# KiCad board panel.kicad_pcb (continued)
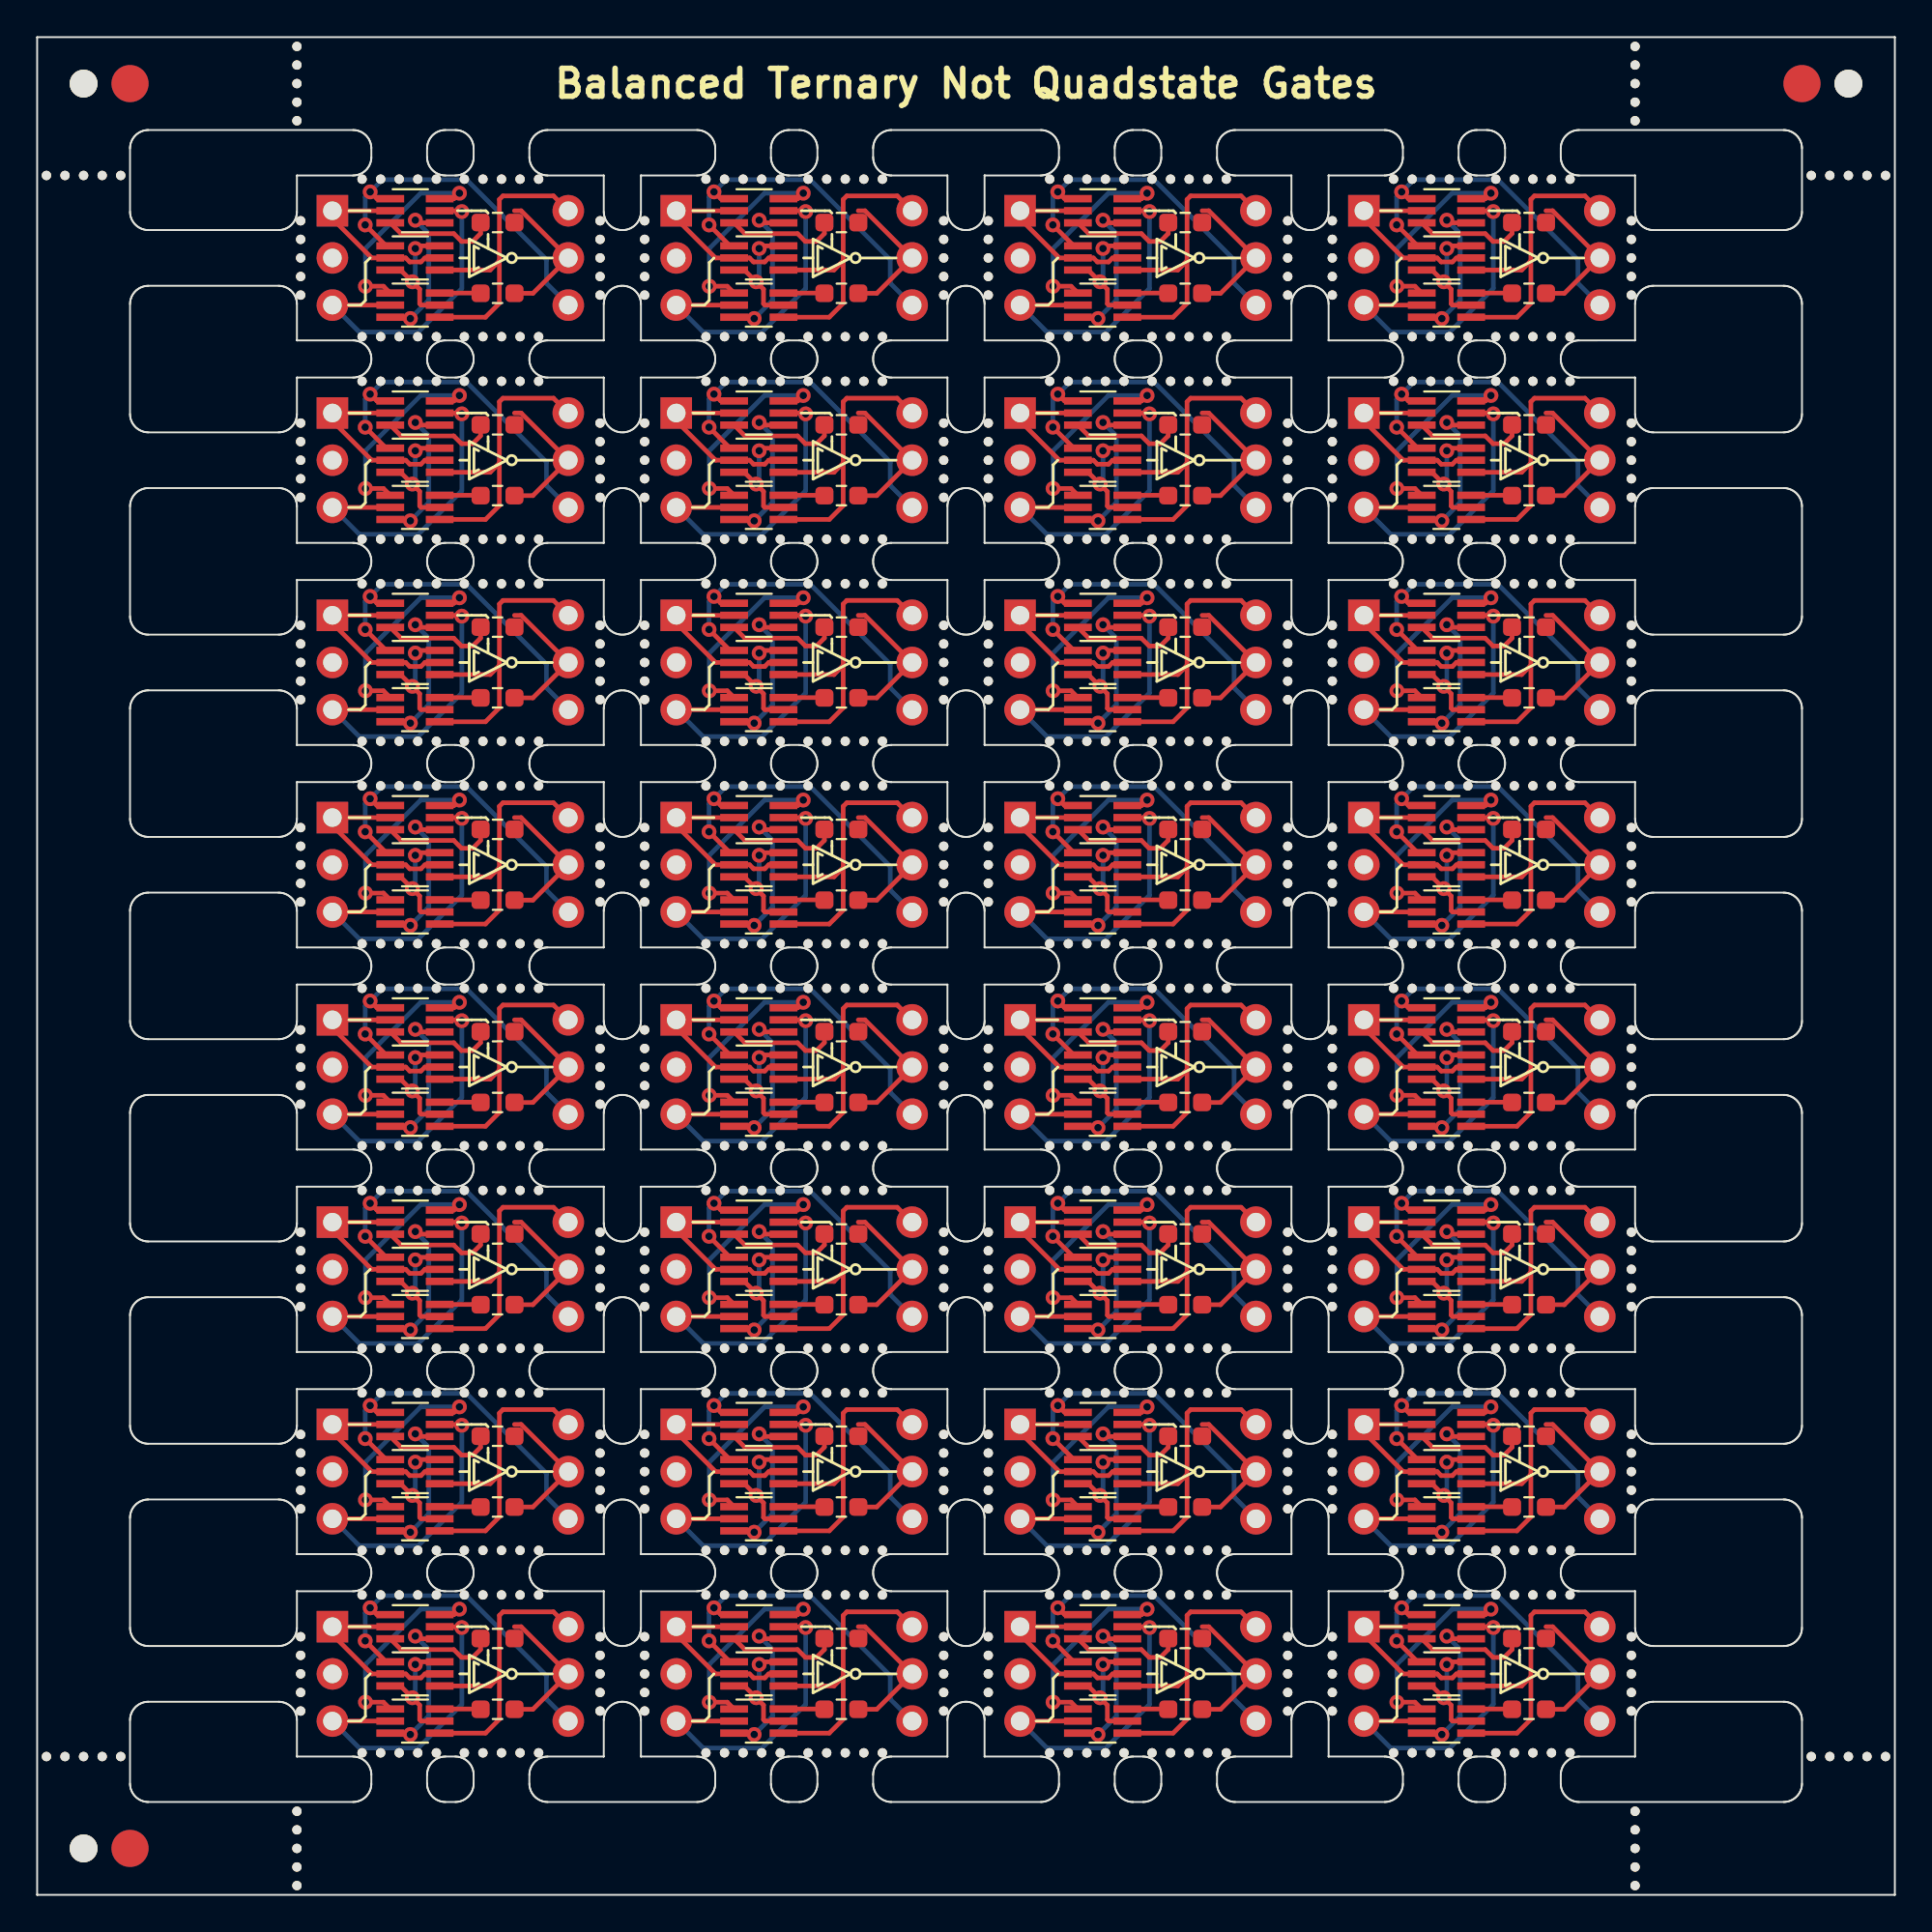
[diagram p0: board, top side]
## Placement (name value [footprint] x y rotation side) (continued)
REF**#14  -  [NPTH]  36.01 18.55 0 top
REF**#15  -  [NPTH]  42.51 70.59 0 top
REF**#16  -  [NPTH]  85.83 11.9 0 top
REF**#17  -  [NPTH]  51.2 77.24 0 top
REF**#18  -  [NPTH]  30.3 12.9 0 top
REF**#19  -  [NPTH]  13.98 95.51 0 top
REF**#20  -  [NPTH]  64.02 37.93 0 top
REF**#21  -  [NPTH]  81.53 62.11 0 top
REF**#22  -  [NPTH]  57.51 70.59 0 top
REF**#23  -  [NPTH]  78.53 92.37 0 top
REF**#24  -  [NPTH]  17.49 72.99 0 top
REF**#25  -  [NPTH]  48.8 21.79 0 top
REF**#26  -  [NPTH]  62.02 81.49 0 top
REF**#27  -  [Fiducial]  5 97.51 0 top
REF**#28  -  [NPTH]  44.51 59.71 0 top
REF**#29  -  [NPTH]  77.03 48.81 0 top
REF**#30  -  [NPTH]  21.49 72.99 0 top
REF**#31  -  [NPTH]  48.8 46.57 0 top
REF**#32  -  [NPTH]  58.51 81.49 0 top
REF**#33  -  [NPTH]  21.49 70.59 0 top
REF**#34  -  [NPTH]  32.7 57.46 0 top
REF**#35  -  [NPTH]  48.8 13.9 0 top
REF**#36  -  [NPTH]  42.51 27.03 0 top
REF**#37  -  [NPTH]  51.2 9.9 0 top
REF**#38  -  [NPTH]  25 40.33 0 top
REF**#39  -  [NPTH]  19.49 92.37 0 top
REF**#40  -  [NPTH]  58.51 83.89 0 top
REF**#41  -  [NPTH]  25 92.37 0 top
REF**#42  -  [NPTH]  62.02 59.71 0 top
REF**#43  -  [NPTH]  21.49 92.37 0 top
REF**#44  -  [NPTH]  51.2 43.57 0 top
REF**#45  -  [NPTH]  27 81.49 0 top
REF**#46  -  [NPTH]  18.49 81.49 0 top
REF**#47  -  [NPTH]  21.49 16.15 0 top
REF**#48  -  [NPTH]  41.51 70.59 0 top
REF**#49  -  [NPTH]  36.01 29.43 0 top
REF**#50  -  [NPTH]  42.51 40.33 0 top
REF**#51  -  [NPTH]  48.8 76.24 0 top
REF**#52  -  [NPTH]  30.3 21.79 0 top
REF**#53  -  [NPTH]  56.51 83.89 0 top
REF**#54  -  [NPTH]  40.01 72.99 0 top
REF**#55  -  [NPTH]  23 62.11 0 top
REF**#56  -  [NPTH]  23 37.93 0 top
REF**#57  -  [NPTH]  30.3 45.57 0 top
REF**#58  -  [NPTH]  20.49 37.93 0 top
REF**#59  -  [NPTH]  38.01 48.81 0 top
REF**#60  -  [NPTH]  24 92.37 0 top
REF**#61  -  [NPTH]  60.02 70.59 0 top
REF**#62  -  [NPTH]  57.51 18.55 0 top
REF**#63  -  [NPTH]  78.53 72.99 0 top
REF**#64  -  [NPTH]  58.51 7.65 0 top
REF**#65  -  [NPTH]  81.53 27.03 0 top
REF**#66  -  [NPTH]  37.01 48.81 0 top
REF**#67  -  [Fiducial]  95.01 97.51 0 top
REF**#68  -  [NPTH]  27 18.55 0 top
REF**#69  -  [NPTH]  75.03 27.03 0 top
REF**#70  -  [NPTH]  38.01 72.99 0 top
REF**#71  -  [NPTH]  24 59.71 0 top
REF**#72  -  [NPTH]  63.02 81.49 0 top
REF**#73  -  [NPTH]  79.53 40.33 0 top
REF**#74  -  [NPTH]  51.2 33.68 0 top
REF**#75  -  [NPTH]  75.03 72.99 0 top
REF**#76  -  [NPTH]  40.01 51.21 0 top
REF**#77  -  [NPTH]  63.02 27.03 0 top
REF**#78  -  [NPTH]  40.01 81.49 0 top
REF**#79  -  [NPTH]  18.49 83.89 0 top
REF**#80  -  [NPTH]  74.03 16.15 0 top
REF**#81  -  [NPTH]  85.83 21.79 0 top
REF**#82  -  [NPTH]  51.2 67.35 0 top
REF**#83  -  [NPTH]  67.33 23.79 0 top
REF**#84  -  [NPTH]  18.49 62.11 0 top
REF**#85  -  [NPTH]  62.02 7.65 0 top
REF**#86  -  [NPTH]  57.51 16.15 0 top
REF**#87  -  [NPTH]  39.01 83.89 0 top
REF**#88  -  [NPTH]  73.03 81.49 0 top
REF**#89  -  [NPTH]  67.33 9.9 0 top
REF**#90  -  [NPTH]  13.98 0.5 0 top
REF**#91  -  [NPTH]  36.01 72.99 0 top
REF**#92  -  [NPTH]  44.51 72.99 0 top
REF**#93  -  [NPTH]  48.8 43.57 0 top
REF**#94  -  [NPTH]  30.3 75.24 0 top
REF**#95  -  [NPTH]  73.03 72.99 0 top
REF**#96  -  [NPTH]  64.02 51.21 0 top
REF**#97  -  [NPTH]  42.51 83.89 0 top
REF**#98  -  [Fiducial]  5 2.5 0 top
REF**#99  -  [NPTH]  75.03 37.93 0 top
REF**#100  -  [NPTH]  67.33 89.13 0 top
REF**#101  -  [NPTH]  14.18 9.9 0 top
REF**#102  -  [NPTH]  23 29.43 0 top
REF**#103  -  [NPTH]  20.49 83.89 0 top
REF**#104  -  [NPTH]  19.49 62.11 0 top
REF**#105  -  [NPTH]  75.03 51.21 0 top
REF**#106  -  [NPTH]  24 70.59 0 top
REF**#107  -  [NPTH]  14.18 89.13 0 top
REF**#108  -  [NPTH]  48.8 35.68 0 top
REF**#109  -  [NPTH]  30.3 57.46 0 top
REF**#110  -  [NPTH]  32.7 54.46 0 top
REF**#111  -  [NPTH]  85.83 57.46 0 top
REF**#112  -  [NPTH]  40.01 18.55 0 top
REF**#113  -  [NPTH]  64.02 29.43 0 top
REF**#114  -  [NPTH]  32.7 10.9 0 top
REF**#115  -  [NPTH]  55.51 59.71 0 top
REF**#116  -  [NPTH]  36.01 81.49 0 top
REF**#117  -  [NPTH]  55.51 7.65 0 top
REF**#118  -  [NPTH]  51.2 42.57 0 top
REF**#119  -  [NPTH]  57.51 48.81 0 top
REF**#120  -  [NPTH]  36.01 16.15 0 top
REF**#121  -  [NPTH]  23 40.33 0 top
REF**#122  -  [NPTH]  18.49 59.71 0 top
REF**#123  -  [NPTH]  81.53 81.49 0 top
REF**#124  -  [NPTH]  3.5 92.57 0 top
REF**#125  -  [NPTH]  30.3 20.79 0 top
REF**#126  -  [NPTH]  17.49 51.21 0 top
REF**#127  -  [NPTH]  42.51 72.99 0 top
REF**#128  -  [NPTH]  78.53 16.15 0 top
REF**#129  -  [NPTH]  48.8 20.79 0 top
REF**#130  -  [NPTH]  40.01 59.71 0 top
REF**#131  -  [NPTH]  51.2 56.46 0 top
REF**#132  -  [NPTH]  64.02 16.15 0 top
REF**#133  -  [NPTH]  58.51 29.43 0 top
REF**#134  -  [NPTH]  48.8 32.68 0 top
REF**#135  -  [NPTH]  14.18 10.9 0 top
REF**#136  -  [NPTH]  45.51 48.81 0 top
REF**#137  -  [NPTH]  62.02 37.93 0 top
REF**#138  -  [NPTH]  27 92.37 0 top
REF**#139  -  [NPTH]  14.18 55.46 0 top
REF**#140  -  [NPTH]  51.2 78.24 0 top
REF**#141  -  [NPTH]  42.51 7.65 0 top
REF**#142  -  [NPTH]  48.8 68.35 0 top
REF**#143  -  [NPTH]  25 18.55 0 top
REF**#144  -  [NPTH]  85.83 79.24 0 top
REF**#145  -  [NPTH]  54.51 18.55 0 top
REF**#146  -  [NPTH]  74.03 7.65 0 top
REF**#147  -  [NPTH]  18.49 37.93 0 top
REF**#148  -  [NPTH]  55.51 29.43 0 top
REF**#149  -  [NPTH]  18.49 29.43 0 top
REF**#150  -  [NPTH]  23 27.03 0 top
REF**#151  -  [NPTH]  25 27.03 0 top
REF**#152  -  [NPTH]  69.72 66.35 0 top
REF**#153  -  [NPTH]  21.49 59.71 0 top
REF**#154  -  [NPTH]  36.01 92.37 0 top
REF**#155  -  [NPTH]  58.51 62.11 0 top
REF**#156  -  [NPTH]  62.02 27.03 0 top
REF**#157  -  [NPTH]  48.8 53.46 0 top
REF**#158  -  [NPTH]  63.02 18.55 0 top
REF**#159  -  [NPTH#2]  97.51 97.51 0 top
REF**#160  -  [NPTH]  36.01 51.21 0 top
REF**#161  -  [NPTH]  74.03 37.93 0 top
REF**#162  -  [NPTH]  58.51 40.33 0 top
REF**#163  -  [NPTH]  37.01 40.33 0 top
REF**#164  -  [NPTH]  40.01 16.15 0 top
REF**#165  -  [NPTH]  23 70.59 0 top
REF**#166  -  [NPTH]  30.3 64.35 0 top
REF**#167  -  [NPTH]  69.72 78.24 0 top
REF**#168  -  [NPTH]  81.53 18.55 0 top
REF**#169  -  [NPTH]  18.49 40.33 0 top
REF**#170  -  [NPTH]  51.2 45.57 0 top
REF**#171  -  [NPTH]  48.8 79.24 0 top
REF**#172  -  [NPTH]  39.01 29.43 0 top
REF**#173  -  [NPTH]  38.01 62.11 0 top
REF**#174  -  [NPTH]  48.8 65.35 0 top
REF**#175  -  [NPTH]  77.03 18.55 0 top
REF**#176  -  [NPTH]  23 59.71 0 top
REF**#177  -  [NPTH]  48.8 23.79 0 top
REF**#178  -  [NPTH]  26 81.49 0 top
REF**#179  -  [NPTH]  30.3 11.9 0 top
REF**#180  -  [NPTH]  69.72 89.13 0 top
REF**#181  -  [NPTH]  48.8 54.46 0 top
REF**#182  -  [NPTH]  61.02 72.99 0 top
REF**#183  -  [NPTH]  26 51.21 0 top
REF**#184  -  [NPTH]  45.51 18.55 0 top
REF**#185  -  [NPTH]  85.83 76.24 0 top
REF**#186  -  [NPTH]  24 7.65 0 top
REF**#187  -  [NPTH]  77.03 59.71 0 top
REF**#188  -  [NPTH]  37.01 37.93 0 top
REF**#189  -  [NPTH]  43.51 48.81 0 top
REF**#190  -  [NPTH]  85.83 32.68 0 top
REF**#191  -  [NPTH]  60.02 83.89 0 top
REF**#192  -  [NPTH]  86.03 95.51 0 top
REF**#193  -  [NPTH]  54.51 37.93 0 top
REF**#194  -  [NPTH]  67.33 24.79 0 top
REF**#195  -  [NPTH]  69.72 33.68 0 top
REF**#196  -  [NPTH]  40.01 27.03 0 top
REF**#197  -  [NPTH]  86.03 96.51 0 top
REF**#198  -  [NPTH]  14.18 86.13 0 top
REF**#199  -  [NPTH]  41.51 81.49 0 top
REF**#200  -  [NPTH]  77.03 37.93 0 top
REF**#201  -  [NPTH]  32.7 66.35 0 top
REF**#202  -  [NPTH]  85.83 10.9 0 top
REF**#203  -  [NPTH]  57.51 7.65 0 top
REF**#204  -  [NPTH]  79.53 70.59 0 top
REF**#205  -  [NPTH]  32.7 64.35 0 top
REF**#206  -  [NPTH]  43.51 92.37 0 top
REF**#207  -  [NPTH]  13.98 1.5 0 top
REF**#208  -  [NPTH]  82.53 72.99 0 top
REF**#209  -  [NPTH]  18.49 51.21 0 top
REF**#210  -  [NPTH]  61.02 59.71 0 top
REF**#211  -  [NPTH]  73.03 7.65 0 top
REF**#212  -  [NPTH]  67.33 79.24 0 top
REF**#213  -  [NPTH]  55.51 92.37 0 top
REF**#214  -  [NPTH]  74.03 81.49 0 top
REF**#215  -  [NPTH]  62.02 62.11 0 top
REF**#216  -  [NPTH]  74.03 92.37 0 top
REF**#217  -  [NPTH]  41.51 72.99 0 top
REF**#218  -  [NPTH]  82.53 7.65 0 top
REF**#219  -  [NPTH]  60.02 81.49 0 top
REF**#220  -  [NPTH]  41.51 83.89 0 top
REF**#221  -  [NPTH]  30.3 35.68 0 top
REF**#222  -  [NPTH]  58.51 72.99 0 top
REF**#223  -  [NPTH]  95.51 92.57 0 top
REF**#224  -  [NPTH]  69.72 44.57 0 top
REF**#225  -  [NPTH]  57.51 72.99 0 top
REF**#226  -  [NPTH]  48.8 64.35 0 top
REF**#227  -  [NPTH]  30.3 88.13 0 top
REF**#228  -  [NPTH]  27 29.43 0 top
REF**#229  -  [NPTH]  64.02 18.55 0 top
REF**#230  -  [NPTH]  30.3 53.46 0 top
REF**#231  -  [NPTH]  30.3 32.68 0 top
REF**#232  -  [NPTH]  23 83.89 0 top
REF**#233  -  [NPTH]  85.83 88.13 0 top
REF**#234  -  [NPTH]  45.51 37.93 0 top
REF**#235  -  [NPTH]  37.01 7.65 0 top
REF**#236  -  [NPTH]  19.49 16.15 0 top
REF**#237  -  [NPTH]  51.2 57.46 0 top
REF**#238  -  [NPTH]  32.7 20.79 0 top
REF**#239  -  [NPTH]  14.18 20.79 0 top
REF**#240  -  [NPTH]  76.03 51.21 0 top
REF**#241  -  [NPTH]  76.03 72.99 0 top
REF**#242  -  [NPTH]  32.7 43.57 0 top
REF**#243  -  [NPTH]  14.18 32.68 0 top
REF**#244  -  [NPTH]  60.02 29.43 0 top
REF**#245  -  [NPTH]  40.01 40.33 0 top
REF**#246  -  [NPTH]  69.72 77.24 0 top
REF**#247  -  [NPTH]  30.3 67.35 0 top
REF**#248  -  [NPTH]  40.01 37.93 0 top
REF**#249  -  [NPTH]  39.01 27.03 0 top
REF**#250  -  [NPTH]  61.02 62.11 0 top
REF**#251  -  [NPTH]  63.02 59.71 0 top
REF**#252  -  [NPTH]  48.8 56.46 0 top
REF**#253  -  [NPTH]  62.02 72.99 0 top
REF**#254  -  [NPTH]  80.53 81.49 0 top
REF**#255  -  [NPTH]  79.53 62.11 0 top
REF**#256  -  [NPTH]  67.33 12.9 0 top
REF**#257  -  [NPTH]  26 83.89 0 top
REF**#258  -  [NPTH]  27 16.15 0 top
REF**#259  -  [NPTH]  78.53 83.89 0 top
REF**#260  -  [NPTH]  32.7 67.35 0 top
REF**#261  -  [NPTH]  54.51 92.37 0 top
REF**#262  -  [NPTH]  62.02 40.33 0 top
REF**#263  -  [NPTH]  23 51.21 0 top
REF**#264  -  [NPTH]  79.53 48.81 0 top
REF**#265  -  [NPTH]  48.8 55.46 0 top
REF**#266  -  [NPTH]  61.02 7.65 0 top
REF**#267  -  [NPTH]  44.51 62.11 0 top
REF**#268  -  [NPTH]  61.02 27.03 0 top
REF**#269  -  [NPTH]  27 40.33 0 top
REF**#270  -  [NPTH]  85.83 34.68 0 top
REF**#271  -  [NPTH]  30.3 24.79 0 top
REF**#272  -  [NPTH]  85.83 23.79 0 top
REF**#273  -  [NPTH]  48.8 10.9 0 top
REF**#274  -  [NPTH]  43.51 27.03 0 top
REF**#275  -  [NPTH]  48.8 31.68 0 top
REF**#276  -  [NPTH]  73.03 59.71 0 top
REF**#277  -  [NPTH]  25 81.49 0 top
REF**#278  -  [NPTH]  75.03 62.11 0 top
REF**#279  -  [NPTH]  38.01 92.37 0 top
REF**#280  -  [NPTH]  30.3 23.79 0 top
REF**#281  -  [NPTH]  39.01 37.93 0 top
REF**#282  -  [NPTH]  96.51 92.57 0 top
REF**#283  -  [NPTH]  42.51 16.15 0 top
REF**#284  -  [NPTH]  51.2 79.24 0 top
REF**#285  -  [NPTH]  67.33 88.13 0 top
REF**#286  -  [NPTH]  32.7 79.24 0 top
REF**#287  -  [NPTH]  20.49 18.55 0 top
REF**#288  -  [NPTH]  41.51 92.37 0 top
REF**#289  -  [NPTH]  27 48.81 0 top
REF**#290  -  [NPTH]  81.53 83.89 0 top
REF**#291  -  [NPTH]  74.03 27.03 0 top
REF**#292  -  [NPTH]  73.03 37.93 0 top
REF**#293  -  [NPTH]  30.3 54.46 0 top
REF**#294  -  [NPTH]  63.02 51.21 0 top
REF**#295  -  [NPTH]  48.8 42.57 0 top
REF**#296  -  [NPTH]  48.8 78.24 0 top
REF**#297  -  [NPTH]  60.02 62.11 0 top
REF**#298  -  [NPTH]  36.01 40.33 0 top
REF**#299  -  [NPTH]  45.51 51.21 0 top
REF**#300  -  [NPTH]  44.51 18.55 0 top
REF**#301  -  [NPTH]  37.01 16.15 0 top
REF**#302  -  [NPTH]  51.2 31.68 0 top
REF**#303  -  [NPTH]  14.18 31.68 0 top
REF**#304  -  [NPTH]  41.51 59.71 0 top
REF**#305  -  [NPTH]  42.51 92.37 0 top
REF**#306  -  [NPTH]  55.51 51.21 0 top
REF**#307  -  [NPTH]  48.8 88.13 0 top
REF**#308  -  [NPTH]  24 29.43 0 top
REF**#309  -  [NPTH]  30.3 68.35 0 top
REF**#310  -  [NPTH]  74.03 29.43 0 top
REF**#311  -  [NPTH]  60.02 16.15 0 top
REF**#312  -  [NPTH]  85.83 87.13 0 top
REF**#313  -  [NPTH]  85.83 64.35 0 top
REF**#314  -  [NPTH]  41.51 37.93 0 top
REF**#315  -  [NPTH]  69.72 87.13 0 top
REF**#316  -  [NPTH]  40.01 48.81 0 top
REF**#317  -  [NPTH]  17.49 92.37 0 top
REF**#318  -  [NPTH]  63.02 72.99 0 top
REF**#319  -  [NPTH]  80.53 29.43 0 top
REF**#320  -  [NPTH]  79.53 51.21 0 top
REF**#321  -  [NPTH]  51.2 88.13 0 top
REF**#322  -  [NPTH]  18.49 18.55 0 top
REF**#323  -  [NPTH]  82.53 29.43 0 top
REF**#324  -  [NPTH]  85.83 20.79 0 top
REF**#325  -  [NPTH]  64.02 92.37 0 top
REF**#326  -  [NPTH]  32.7 31.68 0 top
REF**#327  -  [NPTH]  32.7 89.13 0 top
REF**#328  -  [NPTH]  77.03 92.37 0 top
REF**#329  -  [NPTH]  67.33 54.46 0 top
REF**#330  -  [NPTH]  30.3 33.68 0 top
REF**#331  -  [NPTH]  43.51 83.89 0 top
REF**#332  -  [NPTH]  14.18 65.35 0 top
REF**#333  -  [NPTH]  82.53 83.89 0 top
REF**#334  -  [NPTH]  75.03 40.33 0 top
REF**#335  -  [NPTH]  55.51 27.03 0 top
REF**#336  -  [NPTH]  62.02 51.21 0 top
REF**#337  -  [NPTH]  40.01 29.43 0 top
REF**#338  -  [NPTH]  42.51 51.21 0 top
REF**#339  -  [NPTH]  78.53 51.21 0 top
REF**#340  -  [NPTH]  27 70.59 0 top
REF**#341  -  [NPTH]  2.5 92.57 0 top
REF**#342  -  [NPTH]  64.02 83.89 0 top
REF**#343  -  [NPTH]  81.53 48.81 0 top
REF**#344  -  [NPTH]  48.8 45.57 0 top
REF**#345  -  [NPTH]  78.53 40.33 0 top
REF**#346  -  [NPTH]  14.18 45.57 0 top
REF**#347  -  [NPTH]  45.51 40.33 0 top
REF**#348  -  [NPTH]  54.51 72.99 0 top
REF**#349  -  [NPTH]  61.02 51.21 0 top
REF**#350  -  [NPTH]  43.51 37.93 0 top
REF**#351  -  [NPTH]  99.51 92.57 0 top
REF**#352  -  [NPTH]  78.53 27.03 0 top
REF**#353  -  [NPTH]  67.33 31.68 0 top
REF**#354  -  [NPTH]  82.53 48.81 0 top
REF**#355  -  [NPTH]  51.2 53.46 0 top
REF**#356  -  [NPTH]  55.51 37.93 0 top
REF**#357  -  [NPTH]  81.53 72.99 0 top
REF**#358  -  [NPTH]  75.03 7.65 0 top
REF**#359  -  [NPTH]  67.33 77.24 0 top
REF**#360  -  [NPTH]  98.51 92.57 0 top
REF**#361  -  [NPTH]  69.72 79.24 0 top
REF**#362  -  [NPTH]  14.18 57.46 0 top
REF**#363  -  [NPTH]  64.02 72.99 0 top
REF**#364  -  [NPTH]  20.49 29.43 0 top
REF**#365  -  [NPTH]  44.51 83.89 0 top
REF**#366  -  [NPTH]  25 72.99 0 top
REF**#367  -  [NPTH]  24 51.21 0 top
REF**#368  -  [NPTH]  38.01 81.49 0 top
REF**#369  -  [NPTH]  37.01 62.11 0 top
REF**#370  -  [NPTH]  14.18 44.57 0 top
REF**#371  -  [NPTH]  69.72 12.9 0 top
REF**#372  -  [NPTH]  14.18 12.9 0 top
REF**#373  -  [NPTH]  76.03 48.81 0 top
REF**#374  -  [NPTH]  69.72 43.57 0 top
REF**#375  -  [NPTH]  85.83 13.9 0 top
REF**#376  -  [NPTH]  19.49 51.21 0 top
REF**#377  -  [NPTH]  24 62.11 0 top
REF**#378  -  [NPTH]  61.02 37.93 0 top
REF**#379  -  [NPTH]  63.02 83.89 0 top
REF**#380  -  [NPTH]  24 72.99 0 top
REF**#381  -  [NPTH]  19.49 48.81 0 top
REF**#382  -  [NPTH]  63.02 70.59 0 top
REF**#383  -  [NPTH]  67.33 10.9 0 top
REF**#384  -  [NPTH]  69.72 53.46 0 top
REF**#385  -  [NPTH]  32.7 12.9 0 top
REF**#386  -  [NPTH]  85.83 68.35 0 top
REF**#387  -  [NPTH]  62.02 70.59 0 top
REF**#388  -  [NPTH]  14.18 43.57 0 top
REF**#389  -  [NPTH]  79.53 81.49 0 top
REF**#390  -  [NPTH]  32.7 44.57 0 top
REF**#391  -  [NPTH]  82.53 16.15 0 top
REF**#392  -  [NPTH]  39.01 62.11 0 top
REF**#393  -  [NPTH]  26 7.65 0 top
REF**#394  -  [NPTH]  21.49 48.81 0 top
REF**#395  -  [NPTH]  69.72 55.46 0 top
REF**#396  -  [NPTH]  64.02 62.11 0 top
REF**#397  -  [NPTH]  58.51 48.81 0 top
REF**#398  -  [NPTH]  78.53 81.49 0 top
REF**#399  -  [NPTH]  69.72 68.35 0 top
REF**#400  -  [NPTH]  21.49 37.93 0 top
REF**#401  -  [NPTH]  63.02 7.65 0 top
REF**#402  -  [NPTH]  30.3 42.57 0 top
REF**#403  -  [NPTH]  18.49 27.03 0 top
REF**#404  -  [NPTH]  73.03 29.43 0 top
REF**#405  -  [NPTH]  64.02 40.33 0 top
REF**#406  -  [NPTH]  26 92.37 0 top
REF**#407  -  [NPTH]  80.53 70.59 0 top
REF**#408  -  [NPTH]  51.2 64.35 0 top
REF**#409  -  [NPTH]  76.03 16.15 0 top
REF**#410  -  [NPTH]  25 29.43 0 top
REF**#411  -  [NPTH]  45.51 29.43 0 top
REF**#412  -  [NPTH]  26 70.59 0 top
REF**#413  -  [NPTH]  56.51 27.03 0 top
REF**#414  -  [NPTH]  57.51 40.33 0 top
REF**#415  -  [NPTH]  63.02 37.93 0 top
REF**#416  -  [NPTH]  30.3 31.68 0 top
REF**#417  -  [NPTH]  67.33 67.35 0 top
REF**#418  -  [NPTH]  58.51 59.71 0 top
REF**#419  -  [NPTH]  62.02 18.55 0 top
REF**#420  -  [NPTH]  27 27.03 0 top
REF**#421  -  [NPTH]  24 18.55 0 top
REF**#422  -  [NPTH]  58.51 70.59 0 top
REF**#423  -  [NPTH]  62.02 16.15 0 top
REF**#424  -  [NPTH]  41.51 18.55 0 top
REF**#425  -  [NPTH]  61.02 92.37 0 top
REF**#426  -  [NPTH]  57.51 83.89 0 top
REF**#427  -  [NPTH]  67.33 34.68 0 top
REF**#428  -  [NPTH]  20.49 62.11 0 top
REF**#429  -  [NPTH]  69.72 13.9 0 top
REF**#430  -  [NPTH]  96.51 7.45 0 top
REF**#431  -  [NPTH]  32.7 68.35 0 top
REF**#432  -  [NPTH]  77.03 62.11 0 top
REF**#433  -  [NPTH]  42.51 48.81 0 top
REF**#434  -  [NPTH]  32.7 13.9 0 top
REF**#435  -  [NPTH]  56.51 29.43 0 top
REF**#436  -  [NPTH]  24 27.03 0 top
REF**#437  -  [NPTH]  79.53 37.93 0 top
REF**#438  -  [NPTH]  39.01 59.71 0 top
REF**#439  -  [NPTH]  85.83 45.57 0 top
REF**#440  -  [NPTH]  30.3 44.57 0 top
REF**#441  -  [NPTH]  36.01 37.93 0 top
REF**#442  -  [NPTH]  99.51 7.45 0 top
REF**#443  -  [NPTH]  27 83.89 0 top
REF**#444  -  [NPTH]  76.03 40.33 0 top
REF**#445  -  [NPTH]  17.49 83.89 0 top
REF**#446  -  [NPTH]  25 83.89 0 top
REF**#447  -  [NPTH]  32.7 11.9 0 top
REF**#448  -  [NPTH]  69.72 10.9 0 top
REF**#449  -  [NPTH]  30.3 89.13 0 top
REF**#450  -  [NPTH]  13.98 97.51 0 top
REF**#451  -  [NPTH]  69.72 90.13 0 top
REF**#452  -  [NPTH]  1.5 7.45 0 top
REF**#453  -  [NPTH]  48.8 44.57 0 top
REF**#454  -  [NPTH]  45.51 59.71 0 top
REF**#455  -  [NPTH]  78.53 70.59 0 top
REF**#456  -  [NPTH]  51.2 90.13 0 top
REF**#457  -  [NPTH]  85.83 65.35 0 top
REF**#458  -  [NPTH]  40.01 7.65 0 top
REF**#459  -  [NPTH]  43.51 16.15 0 top
REF**#460  -  [NPTH]  32.7 35.68 0 top
REF**#461  -  [NPTH]  30.3 22.79 0 top
REF**#462  -  [NPTH]  38.01 18.55 0 top
REF**#463  -  [NPTH]  58.51 51.21 0 top
REF**#464  -  [NPTH]  79.53 59.71 0 top
REF**#465  -  [NPTH]  48.8 22.79 0 top
REF**#466  -  [NPTH]  23 81.49 0 top
REF**#467  -  [NPTH]  36.01 70.59 0 top
REF**#468  -  [NPTH]  14.18 77.24 0 top
REF**#469  -  [NPTH]  56.51 7.65 0 top
REF**#470  -  [NPTH]  37.01 51.21 0 top
REF**#471  -  [NPTH]  76.03 27.03 0 top
REF**#472  -  [NPTH]  76.03 70.59 0 top
REF**#473  -  [NPTH]  39.01 18.55 0 top
REF**#474  -  [NPTH]  32.7 24.79 0 top
REF**#475  -  [NPTH]  61.02 40.33 0 top
REF**#476  -  [NPTH]  85.83 12.9 0 top
REF**#477  -  [NPTH]  40.01 70.59 0 top
REF**#478  -  [NPTH]  82.53 59.71 0 top
REF**#479  -  [NPTH]  73.03 27.03 0 top
REF**#480  -  [NPTH]  51.2 34.68 0 top
REF**#481  -  [NPTH]  17.49 48.81 0 top
REF**#482  -  [NPTH]  26 37.93 0 top
REF**#483  -  [NPTH]  80.53 72.99 0 top
REF**#484  -  [NPTH]  60.02 27.03 0 top
REF**#485  -  [NPTH]  18.49 72.99 0 top
REF**#486  -  [NPTH]  24 40.33 0 top
REF**#487  -  [NPTH]  60.02 18.55 0 top
REF**#488  -  [NPTH]  48.8 90.13 0 top
REF**#489  -  [NPTH]  14.18 22.79 0 top
REF**#490  -  [NPTH]  32.7 22.79 0 top
REF**#491  -  [NPTH]  85.83 9.9 0 top
REF**#492  -  [NPTH]  69.72 11.9 0 top
REF**#493  -  [NPTH]  32.7 87.13 0 top
REF**#494  -  [NPTH]  14.18 87.13 0 top
REF**#495  -  [NPTH]  67.33 11.9 0 top
REF**#496  -  [NPTH]  51.2 76.24 0 top
REF**#497  -  [NPTH]  58.51 37.93 0 top
REF**#498  -  [NPTH]  51.2 44.57 0 top
REF**#499  -  [NPTH]  57.51 59.71 0 top
REF**#500  -  [NPTH]  80.53 18.55 0 top
REF**#501  -  [NPTH]  85.83 24.79 0 top
REF**#502  -  [NPTH]  64.02 27.03 0 top
REF**#503  -  [NPTH]  61.02 81.49 0 top
REF**#504  -  [NPTH]  73.03 70.59 0 top
REF**#505  -  [NPTH]  45.51 72.99 0 top
REF**#506  -  [NPTH]  36.01 62.11 0 top
REF**#507  -  [NPTH]  78.53 7.65 0 top
REF**#508  -  [NPTH]  42.51 62.11 0 top
REF**#509  -  [NPTH]  79.53 7.65 0 top
REF**#510  -  [NPTH]  32.7 78.24 0 top
REF**#511  -  [NPTH]  40.01 62.11 0 top
REF**#512  -  [NPTH]  56.51 59.71 0 top
REF**#513  -  [NPTH]  75.03 81.49 0 top
REF**#514  -  [NPTH]  17.49 27.03 0 top
REF**#515  -  [NPTH]  48.8 89.13 0 top
REF**#516  -  [NPTH]  67.33 90.13 0 top
REF**#517  -  [NPTH]  51.2 89.13 0 top
REF**#518  -  [NPTH]  44.51 81.49 0 top
REF**#519  -  [NPTH]  67.33 78.24 0 top
REF**#520  -  [NPTH]  13.98 4.5 0 top
REF**#521  -  [NPTH]  20.49 7.65 0 top
REF**#522  -  [NPTH]  85.83 43.57 0 top
REF**#523  -  [NPTH]  57.51 92.37 0 top
REF**#524  -  [NPTH]  76.03 7.65 0 top
REF**#525  -  [NPTH]  86.03 98.51 0 top
REF**#526  -  [NPTH]  14.18 75.24 0 top
REF**#527  -  [NPTH]  44.51 16.15 0 top
REF**#528  -  [NPTH]  19.49 18.55 0 top
REF**#529  -  [NPTH]  44.51 70.59 0 top
REF**#530  -  [NPTH]  61.02 48.81 0 top
REF**#531  -  [NPTH]  64.02 81.49 0 top
REF**#532  -  [NPTH]  32.7 65.35 0 top
REF**#533  -  [NPTH]  74.03 83.89 0 top
REF**#534  -  [NPTH]  69.72 9.9 0 top
REF**#535  -  [NPTH]  32.7 9.9 0 top
REF**#536  -  [NPTH]  45.51 83.89 0 top
REF**#537  -  [NPTH]  48.8 24.79 0 top
REF**#538  -  [NPTH]  69.72 56.46 0 top
REF**#539  -  [NPTH]  30.3 46.57 0 top
REF**#540  -  [NPTH]  67.33 21.79 0 top
REF**#541  -  [NPTH]  40.01 83.89 0 top
REF**#542  -  [NPTH]  21.49 81.49 0 top
REF**#543  -  [NPTH]  14.18 34.68 0 top
REF**#544  -  [NPTH]  73.03 92.37 0 top
REF**#545  -  [NPTH]  32.7 76.24 0 top
REF**#546  -  [NPTH]  37.01 92.37 0 top
REF**#547  -  [NPTH]  55.51 48.81 0 top
REF**#548  -  [NPTH]  32.7 77.24 0 top
REF**#549  -  [NPTH]  67.33 66.35 0 top
REF**#550  -  [NPTH]  48.8 67.35 0 top
REF**#551  -  [NPTH]  43.51 59.71 0 top
REF**#552  -  [NPTH#2]  2.5 2.5 0 top
REF**#553  -  [NPTH]  51.2 10.9 0 top
REF**#554  -  [NPTH]  76.03 92.37 0 top
REF**#555  -  [NPTH]  41.51 16.15 0 top
REF**#556  -  [NPTH]  54.51 59.71 0 top
REF**#557  -  [NPTH]  82.53 27.03 0 top
REF**#558  -  [NPTH]  48.8 77.24 0 top
REF**#559  -  [NPTH]  69.72 65.35 0 top
REF**#560  -  [NPTH]  80.53 83.89 0 top
REF**#561  -  [NPTH]  17.49 40.33 0 top
REF**#562  -  [NPTH]  37.01 70.59 0 top
REF**#563  -  [NPTH]  14.18 66.35 0 top
REF**#564  -  [NPTH]  82.53 92.37 0 top
REF**#565  -  [NPTH]  85.83 67.35 0 top
REF**#566  -  [NPTH]  55.51 83.89 0 top
REF**#567  -  [NPTH]  85.83 54.46 0 top
REF**#568  -  [NPTH]  26 40.33 0 top
REF**#569  -  [NPTH]  98.51 7.45 0 top
REF**#570  -  [NPTH]  56.51 16.15 0 top
REF**#571  -  [NPTH]  37.01 81.49 0 top
REF**#572  -  [NPTH]  13.98 2.5 0 top
REF**#573  -  [NPTH]  32.7 32.68 0 top
REF**#574  -  [NPTH]  38.01 27.03 0 top
REF**#575  -  [NPTH]  73.03 16.15 0 top
REF**#576  -  [NPTH]  81.53 40.33 0 top
REF**#577  -  [NPTH]  30.3 43.57 0 top
REF**#578  -  [NPTH]  42.51 18.55 0 top
REF**#579  -  [NPTH]  51.2 46.57 0 top
REF**#580  -  [NPTH]  79.53 83.89 0 top
REF**#581  -  [NPTH]  27 72.99 0 top
REF**#582  -  [NPTH]  30.3 9.9 0 top
REF**#583  -  [NPTH]  55.51 62.11 0 top
REF**#584  -  [NPTH]  67.33 44.57 0 top
REF**#585  -  [NPTH]  74.03 62.11 0 top
REF**#586  -  [NPTH]  43.51 62.11 0 top
REF**#587  -  [NPTH]  24 16.15 0 top
REF**#588  -  [NPTH]  67.33 35.68 0 top
REF**#589  -  [NPTH]  62.02 48.81 0 top
REF**#590  -  [NPTH]  54.51 70.59 0 top
REF**#591  -  [NPTH]  69.72 31.68 0 top
REF**#592  -  [NPTH]  74.03 70.59 0 top
REF**#593  -  [NPTH]  48.8 33.68 0 top
REF**#594  -  [NPTH]  73.03 18.55 0 top
REF**#595  -  [NPTH]  61.02 18.55 0 top
REF**#596  -  [NPTH]  44.51 40.33 0 top
REF**#597  -  [NPTH]  67.33 87.13 0 top
REF**#598  -  [NPTH]  45.51 7.65 0 top
REF**#599  -  [NPTH]  77.03 7.65 0 top
REF**#600  -  [NPTH]  82.53 18.55 0 top
REF**#601  -  [NPTH]  76.03 18.55 0 top
REF**#602  -  [NPTH]  21.49 83.89 0 top
REF**#603  -  [NPTH]  80.53 37.93 0 top
REF**#604  -  [NPTH]  38.01 59.71 0 top
REF**#605  -  [NPTH]  67.33 42.57 0 top
REF**#606  -  [NPTH]  51.2 11.9 0 top
REF**#607  -  [NPTH]  62.02 92.37 0 top
REF**#608  -  [NPTH]  54.51 29.43 0 top
REF**#609  -  [NPTH]  32.7 86.13 0 top
REF**#610  -  [NPTH]  19.49 59.71 0 top
REF**#611  -  [NPTH]  69.72 42.57 0 top
REF**#612  -  [NPTH]  19.49 83.89 0 top
REF**#613  -  [NPTH]  30.3 87.13 0 top
REF**#614  -  [NPTH]  85.83 55.46 0 top
REF**#615  -  [NPTH]  81.53 37.93 0 top
REF**#616  -  [NPTH]  69.72 32.68 0 top
REF**#617  -  [NPTH]  32.7 45.57 0 top
REF**#618  -  [NPTH]  25 70.59 0 top
REF**#619  -  [NPTH]  45.51 92.37 0 top
REF**#620  -  [NPTH]  30.3 86.13 0 top
REF**#621  -  [NPTH]  38.01 40.33 0 top
REF**#622  -  [NPTH]  32.7 53.46 0 top
REF**#623  -  [NPTH]  20.49 51.21 0 top
REF**#624  -  [NPTH]  23 18.55 0 top
REF**#625  -  [NPTH]  80.53 62.11 0 top
REF**#626  -  [NPTH]  78.53 18.55 0 top
REF**#627  -  [NPTH]  67.33 22.79 0 top
REF**#628  -  [NPTH]  75.03 92.37 0 top
REF**#629  -  [NPTH]  32.7 23.79 0 top
REF**#630  -  [NPTH]  73.03 51.21 0 top
REF**#631  -  [NPTH]  51.2 87.13 0 top
REF**#632  -  [NPTH]  67.33 43.57 0 top
REF**#633  -  [NPTH]  79.53 72.99 0 top
REF**#634  -  [NPTH]  43.51 18.55 0 top
REF**#635  -  [NPTH]  45.51 81.49 0 top
REF**#636  -  [NPTH]  69.72 46.57 0 top
REF**#637  -  [NPTH]  3.5 7.45 0 top
REF**#638  -  [NPTH]  56.51 48.81 0 top
REF**#639  -  [NPTH]  24 83.89 0 top
REF**#640  -  [NPTH]  37.01 83.89 0 top
REF**#641  -  [NPTH]  14.18 23.79 0 top
REF**#642  -  [NPTH]  63.02 48.81 0 top
REF**#643  -  [NPTH]  78.53 29.43 0 top
REF**#644  -  [NPTH]  14.18 64.35 0 top
REF**#645  -  [NPTH]  25 48.81 0 top
REF**#646  -  [NPTH]  74.03 18.55 0 top
REF**#647  -  [NPTH]  69.72 34.68 0 top
REF**#648  -  [NPTH]  80.53 59.71 0 top
REF**#649  -  [NPTH]  20.49 40.33 0 top
REF**#650  -  [NPTH]  36.01 59.71 0 top
REF**#651  -  [NPTH]  60.02 7.65 0 top
REF**#652  -  [NPTH]  30.3 77.24 0 top
REF**#653  -  [NPTH]  69.72 21.79 0 top
REF**#654  -  [NPTH]  77.03 81.49 0 top
REF**#655  -  [NPTH]  60.02 48.81 0 top
REF**#656  -  [NPTH]  43.51 81.49 0 top
REF**#657  -  [NPTH]  77.03 27.03 0 top
REF**#658  -  [NPTH]  56.51 37.93 0 top
REF**#659  -  [NPTH]  62.02 29.43 0 top
REF**#660  -  [NPTH]  39.01 72.99 0 top
REF**#661  -  [NPTH]  69.72 88.13 0 top
REF**#662  -  [NPTH]  23 92.37 0 top
REF**#663  -  [NPTH]  67.33 75.24 0 top
REF**#664  -  [NPTH]  45.51 16.15 0 top
REF**#665  -  [NPTH]  14.18 21.79 0 top
REF**#666  -  [NPTH]  63.02 29.43 0 top
REF**#667  -  [NPTH]  14.18 35.68 0 top
REF**#668  -  [NPTH]  77.03 29.43 0 top
REF**#669  -  [NPTH]  56.51 81.49 0 top
REF**#670  -  [NPTH]  85.83 78.24 0 top
REF**#671  -  [NPTH]  17.49 81.49 0 top
REF**#672  -  [NPTH]  26 18.55 0 top
REF**#673  -  [NPTH]  73.03 40.33 0 top
REF**#674  -  [NPTH]  14.18 79.24 0 top
REF**#675  -  [NPTH]  21.49 27.03 0 top
REF**#676  -  [NPTH]  17.49 29.43 0 top
REF**#677  -  [NPTH]  51.2 23.79 0 top
REF**#678  -  [NPTH]  85.83 86.13 0 top
REF**#679  -  [NPTH]  57.51 37.93 0 top
REF**#680  -  [NPTH]  76.03 81.49 0 top
REF**#681  -  [NPTH]  51.2 68.35 0 top
REF**#682  -  [NPTH]  51.2 75.24 0 top
REF**#683  -  [NPTH]  51.2 20.79 0 top
REF**#684  -  [NPTH]  30.3 10.9 0 top
REF**#685  -  [NPTH]  80.53 40.33 0 top
REF**#686  -  [NPTH]  78.53 59.71 0 top
REF**#687  -  [NPTH]  57.51 62.11 0 top
REF**#688  -  [NPTH]  43.51 7.65 0 top
REF**#689  -  [NPTH]  24 37.93 0 top
REF**#690  -  [NPTH]  17.49 70.59 0 top
REF**#691  -  [NPTH]  36.01 48.81 0 top
REF**#692  -  [NPTH]  76.03 62.11 0 top
REF**#693  -  [NPTH]  58.51 16.15 0 top
REF**#694  -  [NPTH]  75.03 70.59 0 top
REF**#695  -  [NPTH]  75.03 29.43 0 top
REF**#696  -  [NPTH]  44.51 27.03 0 top
REF**#697  -  [NPTH]  30.3 55.46 0 top
REF**#698  -  [NPTH]  69.72 64.35 0 top
REF**#699  -  [NPTH]  20.49 48.81 0 top
REF**#700  -  [NPTH]  45.51 27.03 0 top
REF**#701  -  [NPTH]  14.18 53.46 0 top
REF**#702  -  [NPTH]  61.02 83.89 0 top
REF**#703  -  [NPTH]  81.53 70.59 0 top
REF**#704  -  [NPTH]  86.03 0.5 0 top
REF**#705  -  [NPTH#2]  2.5 97.51 0 top
REF**#706  -  [NPTH]  45.51 62.11 0 top
REF**#707  -  [NPTH]  19.49 29.43 0 top
REF**#708  -  [NPTH]  51.2 65.35 0 top
REF**#709  -  [NPTH]  30.3 79.24 0 top
REF**#710  -  [NPTH]  79.53 92.37 0 top
REF**#711  -  [NPTH]  30.3 66.35 0 top
REF**#712  -  [NPTH]  67.33 55.46 0 top
REF**#713  -  [NPTH]  30.3 13.9 0 top
REF**#714  -  [NPTH]  30.3 78.24 0 top
REF**#715  -  [NPTH]  85.83 35.68 0 top
REF**#716  -  [NPTH]  44.51 37.93 0 top
REF**#717  -  [NPTH]  69.72 75.24 0 top
REF**#718  -  [NPTH]  51.2 66.35 0 top
REF**#719  -  [NPTH]  41.51 40.33 0 top
REF**#720  -  [NPTH]  85.83 42.57 0 top
REF**#721  -  [NPTH]  39.01 40.33 0 top
REF**#722  -  [NPTH]  41.51 62.11 0 top
REF**#723  -  [NPTH]  64.02 7.65 0 top
REF**#724  -  [NPTH]  85.83 56.46 0 top
REF**#725  -  [NPTH]  56.51 62.11 0 top
REF**#726  -  [NPTH]  32.7 33.68 0 top
REF**#727  -  [NPTH]  32.7 21.79 0 top
REF**#728  -  [NPTH]  25 59.71 0 top
REF**#729  -  [NPTH]  37.01 72.99 0 top
REF**#730  -  [NPTH]  73.03 62.11 0 top
REF**#731  -  [NPTH]  26 27.03 0 top
REF**#732  -  [NPTH]  56.51 51.21 0 top
REF**#733  -  [NPTH]  21.49 62.11 0 top
REF**#734  -  [NPTH]  51.2 86.13 0 top
REF**#735  -  [NPTH]  80.53 51.21 0 top
REF**#736  -  [NPTH]  23 16.15 0 top
REF**#737  -  [NPTH]  86.03 2.5 0 top
REF**#738  -  [NPTH]  75.03 83.89 0 top
REF**#739  -  [NPTH]  55.51 81.49 0 top
REF**#740  -  [NPTH]  32.7 56.46 0 top
REF**#741  -  [NPTH]  48.8 11.9 0 top
REF**#742  -  [NPTH]  48.8 87.13 0 top
REF**#743  -  [NPTH]  39.01 51.21 0 top
REF**#744  -  [NPTH]  85.83 44.57 0 top
REF**#745  -  [NPTH]  54.51 81.49 0 top
REF**#746  -  [NPTH]  82.53 81.49 0 top
REF**#747  -  [NPTH]  69.72 22.79 0 top
REF**#748  -  [NPTH]  36.01 27.03 0 top
REF**#749  -  [NPTH]  73.03 83.89 0 top
REF**#750  -  [NPTH]  13.98 96.51 0 top
REF**#751  -  [NPTH]  86.03 1.5 0 top
REF**#752  -  [NPTH]  26 59.71 0 top
REF**#753  -  [NPTH]  63.02 92.37 0 top
REF**#754  -  [NPTH]  42.51 59.71 0 top
REF**#755  -  [NPTH]  80.53 92.37 0 top
REF**#756  -  [NPTH]  13.98 99.51 0 top
REF**#757  -  [NPTH]  39.01 92.37 0 top
REF**#758  -  [NPTH]  37.01 27.03 0 top
REF**#759  -  [NPTH]  82.53 51.21 0 top
REF**#760  -  [NPTH]  45.51 70.59 0 top
REF**#761  -  [NPTH]  69.72 67.35 0 top
REF**#762  -  [NPTH]  48.8 75.24 0 top
REF**#763  -  [NPTH]  61.02 70.59 0 top
REF**#764  -  [NPTH]  30.3 76.24 0 top
REF**#765  -  [NPTH]  24 48.81 0 top
REF**#766  -  [NPTH]  77.03 83.89 0 top
REF**#767  -  [NPTH]  44.51 51.21 0 top
REF**#768  -  [NPTH]  54.51 16.15 0 top
REF**#769  -  [NPTH]  51.2 22.79 0 top
REF**#770  -  [NPTH]  64.02 59.71 0 top
REF**#771  -  [NPTH]  23 48.81 0 top
REF**#772  -  [NPTH]  69.72 57.46 0 top
REF**#773  -  [NPTH]  79.53 27.03 0 top
REF**#774  -  [NPTH]  32.7 88.13 0 top
REF**#775  -  [NPTH]  81.53 92.37 0 top
REF**#776  -  [NPTH]  51.2 55.46 0 top
REF**#777  -  [NPTH]  60.02 51.21 0 top
REF**#778  -  [NPTH]  38.01 83.89 0 top
REF**#779  -  [NPTH]  63.02 16.15 0 top
REF**#780  -  [NPTH]  85.83 22.79 0 top
REF**#781  -  [NPTH]  41.51 27.03 0 top
REF**#782  -  [NPTH]  21.49 18.55 0 top
REF**#783  -  [NPTH]  85.83 53.46 0 top
REF**#784  -  [NPTH]  44.51 48.81 0 top
REF**#785  -  [NPTH]  80.53 48.81 0 top
REF**#786  -  [NPTH]  32.7 42.57 0 top
REF**#787  -  [NPTH]  14.18 90.13 0 top
REF**#788  -  [NPTH]  38.01 51.21 0 top
REF**#789  -  [NPTH]  85.83 46.57 0 top
REF**#790  -  [NPTH]  75.03 48.81 0 top
REF**#791  -  [NPTH]  61.02 16.15 0 top
REF**#792  -  [NPTH]  25 7.65 0 top
REF**#793  -  [NPTH]  39.01 48.81 0 top
REF**#794  -  [NPTH]  81.53 29.43 0 top
REF**#795  -  [NPTH]  44.51 29.43 0 top
REF**#796  -  [NPTH]  79.53 18.55 0 top
REF**#797  -  [NPTH]  18.49 70.59 0 top
REF**#798  -  [NPTH]  76.03 29.43 0 top
REF**#799  -  [NPTH]  79.53 16.15 0 top
REF**#800  -  [NPTH]  39.01 16.15 0 top
REF**#801  -  [NPTH]  42.51 81.49 0 top
REF**#802  -  [NPTH]  85.83 89.13 0 top
REF**#803  -  [NPTH]  30.3 34.68 0 top
REF**#804  -  [NPTH]  40.01 92.37 0 top
REF**#805  -  [NPTH]  48.8 12.9 0 top
REF**#806  -  [NPTH]  44.51 92.37 0 top
REF**#807  -  [NPTH]  39.01 81.49 0 top
REF**#808  -  [NPTH]  25 62.11 0 top
REF**#809  -  [NPTH]  37.01 18.55 0 top
REF**#810  -  [NPTH]  17.49 16.15 0 top
REF**#811  -  [NPTH]  14.18 68.35 0 top
REF**#812  -  [NPTH]  20.49 72.99 0 top
REF**#813  -  [NPTH]  60.02 37.93 0 top
REF**#814  -  [NPTH]  86.03 4.5 0 top
REF**#815  -  [NPTH]  54.51 62.11 0 top
REF**#816  -  [NPTH]  74.03 72.99 0 top
REF**#817  -  [NPTH]  19.49 7.65 0 top
REF**#818  -  [NPTH]  27 62.11 0 top
REF**#819  -  [NPTH]  30.3 90.13 0 top
REF**#820  -  [NPTH]  41.51 51.21 0 top
REF**#821  -  [NPTH]  17.49 7.65 0 top
REF**#822  -  [NPTH]  67.33 13.9 0 top
REF**#823  -  [NPTH]  77.03 70.59 0 top
REF**#824  -  [NPTH]  42.51 29.43 0 top
